# Allegro board SDHCalFEB20180110.brd (continued)
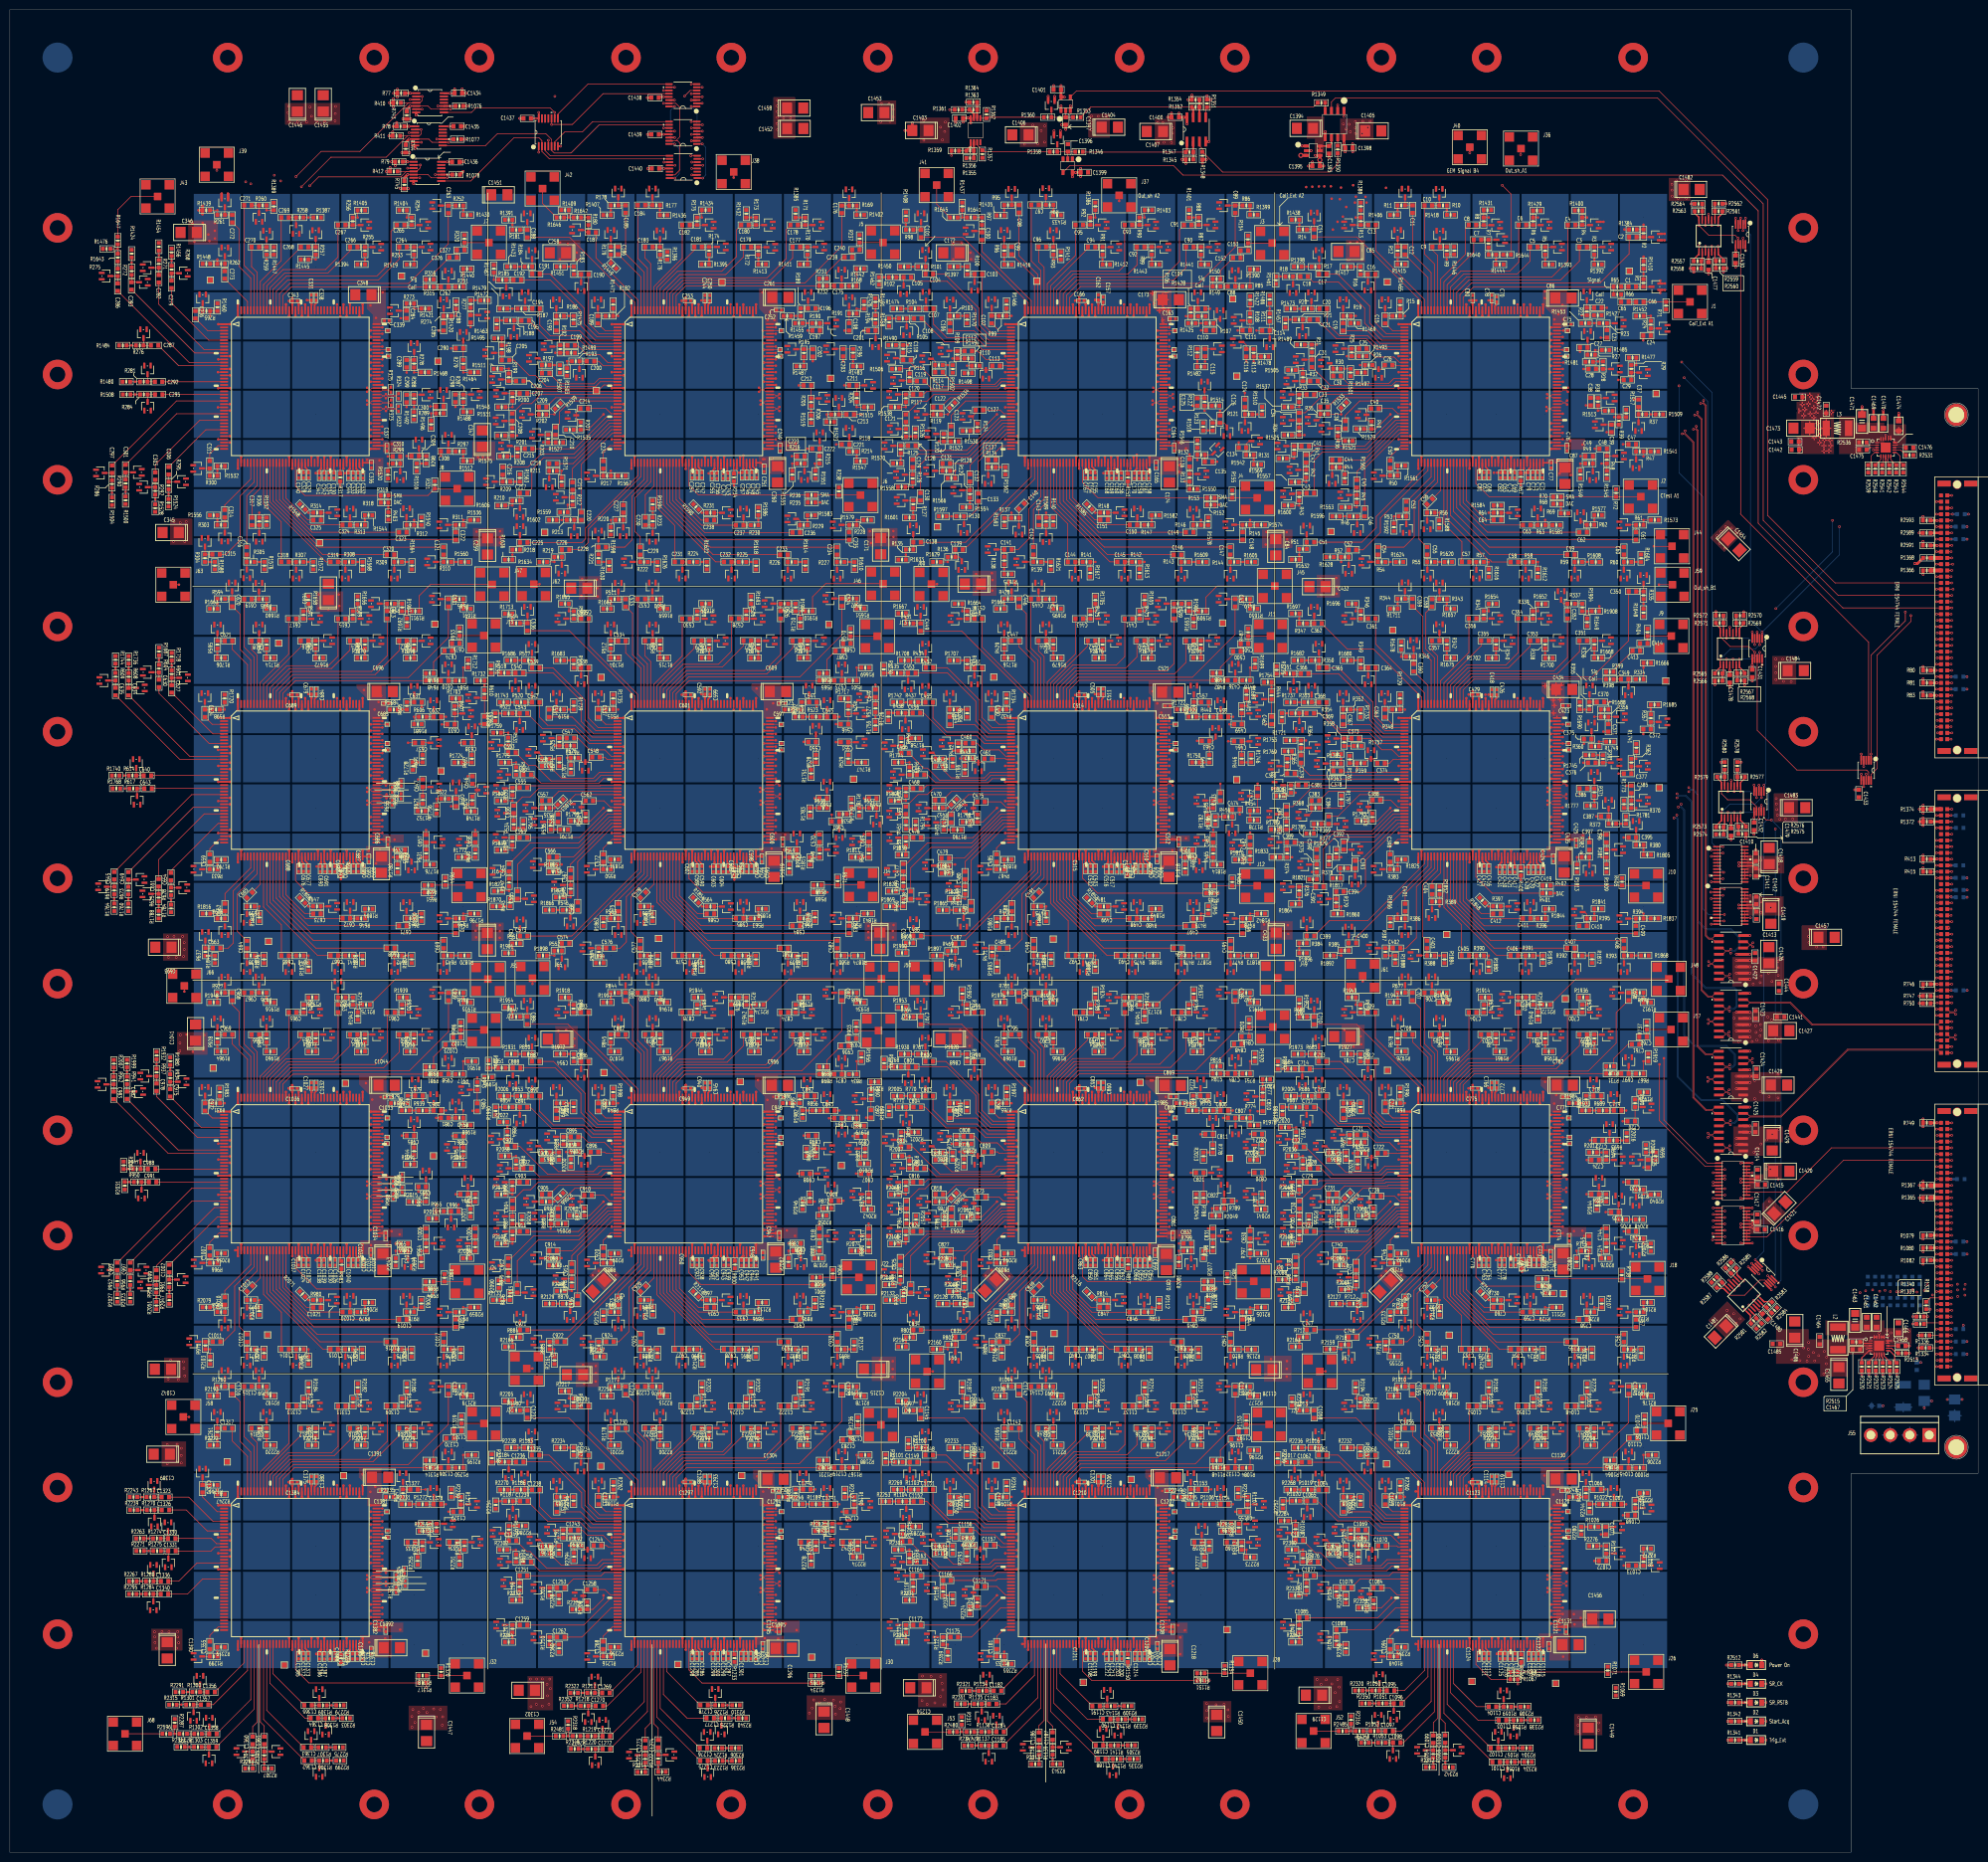
[diagram p0: board, top side]
## Routing (per net, layer and track width the routed paths; a pad name or vN(x,y) marks a point on that pad's centre or on a via; arc(x,y) is an arc through that point) (continued)
  GND1 w0.127: v1(85.79,65.24) v2(85.06,65.24)
  SIG3 w0.127: v2(85.06,65.24) 74.5,65.24 v2(72.2,62.94)
  GND3 w0.127: v2(72.2,62.94) v3(72.2,62.2)
GEM_OUT_P28: length 4
  TOP w0.127: R1277.1 83.88,61.46 v1(82.94,61.46) 82.94,59.96 R2255.2
  GND1 w0.127: v2(82.2,61.46) v1(82.94,61.46)
  GND3 w0.127: v3(82.2,62.2) v2(82.2,61.46)
GEM_OUT_P29: length 3.9
  TOP w0.127: R2251.2 91.46,59.96 v1(91.46,61.46) 92.42,61.46 R1278.1
  GND1 w0.127: v2(92.2,61.46) v1(91.46,61.46)
  GND3 w0.127: v3(92.2,62.2) v2(92.2,61.46)
GEM_OUT_P31: length 30.3
  TOP w0.127: R2267.2 v1(26.75,55.07) R1280.1
  GND1 w0.127: v2(27.48,55.07) v1(26.75,55.07)
  SIG3 w0.127: v2(51.05,62.2) 43.15,62.2 41.43,60.48 32.89,60.48 v2(27.48,55.07)
  GND3 w0.127: v3(52.2,62.2) v2(51.05,62.2)
GEM_OUT_P35: length 17.9
  TOP w0.127: R1284.1 v1(26.72,52.46) 25.76,52.46 R2295.2
  GND1 w0.127: v2(27.46,52.46) v1(26.72,52.46)
  SIG3 w0.127: v2(27.46,52.46) 28.24,51.68 v2(41.68,51.68)
  GND3 w0.127: v3(42.2,52.2) v2(41.68,51.68)
GEM_OUT_P50: length 3.4
  TOP w0.127: R1299.1 42.2,39.78 v1(42.2,40.73) 42.2,41.67 R2319.2
  GND1 w0.127: v2(42.2,41.46) v1(42.2,40.73)
  GND3 w0.127: v3(42.2,42.2) v2(42.2,41.46)
GEM_OUT_P51: length 29.1
  TOP w0.127: R2291.2 35.24,32.55 v1(36.2,32.55) R1300.1
  GND1 w0.127: v1(36.2,32.55) v2(36.93,32.55)
  SIG3 w0.127: v2(51.46,52.2) 51.46,47.08 v2(36.93,32.55)
  GND3 w0.127: v3(52.2,52.2) v2(51.46,52.2)
GEM_OUT_P52: length 24.8
  TOP w0.127: R2315.2 33.92,29.98 v1(34.87,29.98) R1301.1
  GND1 w0.127: v1(34.87,29.98) v2(35.61,29.98)
  SIG3 w0.127: v2(35.61,29.98) 47.09,41.46 v2(52.2,41.46)
  GND3 w0.127: v3(52.2,42.2) v2(52.2,41.46)
GEM_OUT_P53: length 1.5
  TOP w0.127: R1302.1 37.5,24.05 R2595.1
GEM_OUT_P54: length 36.6
  TOP w0.127: R2311.2 35.58,21.37 v1(36.53,21.37) R1303.1
  GND1 w0.127: v1(36.53,21.37) v2(37.26,21.37)
  SIG3 w0.127: v2(62.2,41.46) 57.35,41.46 v2(37.26,21.37)
  GND3 w0.127: v3(62.2,42.2) v2(62.2,41.46)
GEM_OUT_P55: length 46
  TOP w0.127: R1304.1 v1(49.37,17.98) 49.37,17.03 R2283.2
  GND1 w0.127: v1(49.37,17.98) v2(49.37,18.72)
  SIG3 w0.127: v2(49.37,18.72) 49.37,26.38 71.46,48.48 v2(71.46,52.2)
  GND3 w0.127: v3(72.2,52.2) v2(71.46,52.2)
GEM_OUT_P56: length 34.6
  TOP w0.127: R1305.1 v1(51.73,17.98) 51.73,17.03 R2307.2
  GND1 w0.127: v1(51.73,17.98) v2(51.73,18.72)
  SIG3 w0.127: v2(51.73,18.72) 72.2,39.19 v2(72.2,41.46)
  GND3 w0.127: v3(72.2,42.2) v2(72.2,41.46)
GEM_OUT_P57: length 39
  TOP w0.127: R2299.2 66.36,18.61 v1(65.41,18.61) R1306.1
  GND1 w0.127: v1(65.41,18.61) v2(66.14,18.61)
  SIG3 w0.127: v2(92.2,41.46) 84.63,33.9 84.51,33.9 84.24,33.62 84.24,33.5 69.35,18.61 v2(66.14,18.61)
  GND3 w0.127: v3(92.2,42.2) v2(92.2,41.46)
GEM_OUT_P58: length 44.8
  TOP w0.127: R2275.2 66.18,21.3 v1(65.23,21.3) R1307.1
  GND1 w0.127: v1(65.23,21.3) v2(65.96,21.3)
  SIG3 w0.127: v2(65.96,21.3) 91.46,46.8 v2(91.46,52.2)
  GND3 w0.127: v3(92.2,52.2) v2(91.46,52.2)
GEM_OUT_P59: length 23.8
  TOP w0.127: R1308.1 v1(66.67,27.22) 67.63,27.22 R2303.2
  GND1 w0.127: v1(66.67,27.22) v2(67.41,27.22)
  SIG3 w0.127: v2(81.68,41.68) 81.29,41.29 81.29,41.1 v2(67.41,27.22)
  GND3 w0.127: v3(82.2,42.2) v2(81.68,41.68)
GEM_OUT_P60: length 32.1
  TOP w0.127: R2279.2 66.36,29.84 v1(65.41,29.84) R1309.1
  GND1 w0.127: v1(65.41,29.84) v2(66.14,29.84)
  SIG3 w0.127: v2(81.46,52.2) 81.46,45.16 v2(66.14,29.84)
  GND3 w0.127: v3(82.2,52.2) v2(81.46,52.2)
GEM_SIGNAL_A15: length 4.9
  TOP w0.127: v1(193.67,332.2) 192.72,332.2 R1645.2 ; v1(193.67,332.2) 194.64,332.2 R1641.2 ; v1(193.67,332.2) 193.67,333.13 193.68,333.13 R1437.2
  GND1 w0.127: v2(192.94,332.2) v1(193.67,332.2)
  GND3 w0.127: v3(192.2,332.2) v2(192.94,332.2)
GEM_SIGNAL_A23: length 4.9
  TOP w0.127: v1(113.67,332.2) 112.71,332.2 R1646.2 ; v1(113.67,332.2) 114.63,332.2 R1642.2 ; v1(113.67,332.2) 113.67,333.7 R1409.2
  GND1 w0.127: v2(112.94,332.2) v1(113.67,332.2)
  GND3 w0.127: v3(112.2,332.2) v2(112.94,332.2)
GEM_SIGNAL_AF4: length 48
  TOP w0.127: R2485.2 271.76,24.61 v1(272.72,24.61) ; v1(272.72,24.61) R2484.2 ; v1(272.72,24.61) R2316.2
  GND1 w0.127: v2(273.46,24.61) v1(272.72,24.61)
  SIG3 w0.127: v2(301.46,52.2) 301.46,45.94 280.13,24.61 v2(273.46,24.61)
  GND3 w0.127: v3(302.2,52.2) v2(301.46,52.2)
GEM_SIGNAL_AF12: length 45.8
  TOP w0.127: v1(193.55,24.43) 192.58,24.43 R2480.2 ; v1(193.55,24.43) 193.55,25.91 R2317.2 ; v1(193.55,24.43) R2476.2
  GND1 w0.127: v1(193.55,24.43) v2(194.29,24.43)
  SIG3 w0.127: v2(194.29,24.43) 197.37,24.43 221.46,48.52 v2(221.46,52.2)
  GND3 w0.127: v3(222.2,52.2) v2(221.46,52.2)
GEM_SIGNAL_AF20: length 46.3
  TOP w0.127: R2477.2 v1(113.51,23.59) ; v1(113.51,23.59) R2318.2 ; v1(113.51,23.59) 112.55,23.59 R2481.2
  GND1 w0.127: v1(113.51,23.59) v2(114.25,23.59)
  SIG3 w0.127: v2(141.46,52.2) 141.46,48.19 116.86,23.59 v2(114.25,23.59)
  GND3 w0.127: v3(142.2,52.2) v2(141.46,52.2)
GEM_SIGNAL_AF28: length 45.7
  TOP w0.127: v1(33.53,24.05) R2287.2 ; v1(33.53,24.05) R2595.2 ; v1(33.53,24.05) R2596.2
  GND1 w0.127: v2(34.26,24.05) v1(33.53,24.05)
  SIG3 w0.127: v2(61.46,52.2) 61.46,48.84 36.68,24.05 v2(34.26,24.05)
  GND3 w0.127: v3(62.2,52.2) v2(61.46,52.2)
GEM_SIGNAL_B4: length 5
  TOP w0.127: R1444.2 302.2,322.67 v1(302.2,323.67) 302.2,324.63 R1640.2 302.21,324.64 R1644.2
  GND1 w0.127: v2(302.2,322.94) v1(302.2,323.67)
  GND3 w0.127: v3(302.2,322.2) v2(302.2,322.94)
GEM_SIGNAL_D28: length 56.7
  TOP w0.127: v1(21.95,325.81) 21.95,325.81 R1647.2 ; v1(21.95,325.81) 21.92,325.83 R1476.2 ; v1(21.95,325.81) 21.95,324.84 R1643.2
  GND1 w0.127: v1(21.95,325.81) v2(21.95,325.07)
  SIG3 w0.127: v2(21.95,325.07) 21.95,320.29 39.44,302.8 60.86,302.8 v2(61.46,302.2)
  GND3 w0.127: v3(62.2,302.2) v2(61.46,302.2)
GEM_SIGNAL_J2: length 4.9
  TOP w0.127: v1(320.73,252.2) 319.77,252.2 R1904.2 ; v1(320.73,252.2) 321.69,252.2 R1908.2 ; v1(320.73,252.2) 320.73,250.71 R1649.2
  GND1 w0.127: v2(321.46,252.2) v1(320.73,252.2)
  GND3 w0.127: v3(322.2,252.2) v2(321.46,252.2)
GEM_SIGNAL_J10: length 4.9
  TOP w0.127: R1653.2 240.73,250.72 v1(240.73,252.2) ; v1(240.73,252.2) 241.68,252.2 R1909.2 ; v1(240.73,252.2) 239.78,252.2 R1905.2
  GND1 w0.127: v2(241.46,252.2) v1(240.73,252.2)
  GND3 w0.127: v3(242.2,252.2) v2(241.46,252.2)
GEM_SIGNAL_J18: length 4.9
  TOP w0.127: v1(160.73,252.2) 159.77,252.2 R1906.2 ; v1(160.73,252.2) 160.73,250.71 R1710.2 ; v1(160.73,252.2) 161.69,252.2 R1910.2
  GND1 w0.127: v2(161.46,252.2) v1(160.73,252.2)
  GND3 w0.127: v3(162.2,252.2) v2(161.46,252.2)
GEM_SIGNAL_J26: length 4.9
  TOP w0.127: v1(80.73,252.2) 81.68,252.2 R1911.2 ; v1(80.73,252.2) 80.73,250.72 R1692.2 ; v1(80.73,252.2) 79.76,252.2 R1907.2
  GND1 w0.127: v2(81.46,252.2) v1(80.73,252.2)
  GND3 w0.127: v3(82.2,252.2) v2(81.46,252.2)
GEM_SIGNAL_S3: length 4.9
  TOP w0.127: R2168.2 309.79,172.2 v1(310.73,172.2) ; v1(310.73,172.2) 310.73,170.73 R1940.2 ; v1(310.73,172.2) 311.67,172.2 R2172.2
  GND1 w0.127: v2(311.46,172.2) v1(310.73,172.2)
  GND3 w0.127: v3(312.2,172.2) v2(311.46,172.2)
GEM_SIGNAL_S11: length 4.9
  TOP w0.127: R2173.2 231.66,172.2 v1(230.73,172.2) ; R1941.2 230.73,170.69 v1(230.73,172.2) ; R2169.2 229.78,172.2 v1(230.73,172.2)
  GND1 w0.127: v2(231.46,172.2) v1(230.73,172.2)
  GND3 w0.127: v3(232.2,172.2) v2(231.46,172.2)
GEM_SIGNAL_S19: length 4.9
  TOP w0.127: v1(150.73,172.2) 151.68,172.2 R2174.2 ; v1(150.73,172.2) 149.77,172.2 R2170.2 ; v1(150.73,172.2) 150.73,170.71 R1942.2
  GND1 w0.127: v2(151.46,172.2) v1(150.73,172.2)
  GND3 w0.127: v3(152.2,172.2) v2(151.46,172.2)
GEM_SIGNAL_S27: length 4.9
  TOP w0.127: v1(70.73,172.2) 70.73,170.7 R1943.2 ; v1(70.73,172.2) 69.79,172.2 R2171.2 ; v1(70.73,172.2) 71.67,172.2 R2175.2
  GND1 w0.127: v2(71.46,172.2) v1(70.73,172.2)
  GND3 w0.127: v3(72.2,172.2) v2(71.46,172.2)
GEM_TEST_A: length 25.3
  TOP w0.127: R1644.1 305.23,336.98 v4(303.47,338.75) ; v4(296.88,345.34) J40.1
  SIG3 w0.127: v4(296.88,345.34) v4(303.47,338.75)
GEM_TEST_B: length 7.7
  TOP w0.127: J41.1 188.47,334.93 R1645.1
GEM_TEST_C: length 7
  TOP w0.127: J42.1 108.33,335.05 R1646.1
GEM_TEST_D: length 14.7
  TOP w0.127: R1647.1 21.95,333.78 24.64,336.48 J43.1
GEM_TEST_E: length 21.9
  TOP w0.127: v1(334.31,265.38) J44.1 ; R1908.1 v1(323.21,253.19)
  GND1 w0.127: v1(323.21,253.19) v2(323.21,253.92) ; v2(333.58,265.38) v1(334.31,265.38)
  SIG2 w0.127: v2(333.58,265.38) 333.55,265.38 330.23,262.05 330.23,260.93 v2(323.21,253.92)
GEM_TEST_F: length 17.8
  TOP w0.127: J45.1 245.49,257.3 243.21,255.02 R1909.1
GEM_TEST_G: length 18.4
  TOP w0.127: R1910.1 163.22,255.12 165.89,257.79 J46.1
GEM_TEST_H: length 19
  TOP w0.127: J47.1 85.55,257.63 83.21,255.3 R1911.1
GEM_TEST_I: length 26.3
  TOP w0.127: R2172.1 318.47,177.47 J48.1
GEM_TEST_J: length 26.9
  TOP w0.127: J49.1 257.4,177.27 238.28,177.27 R2173.1
GEM_TEST_K: length 26.2
  TOP w0.127: J50.1 158.5,177.5 R2174.1
GEM_TEST_L: length 26.2
  TOP w0.127: R2175.1 78.41,177.42 J51.1
GEM_TEST_M: length 5.1
  TOP w0.127: R2485.1 265.1,24.61 J52.1
GEM_TEST_N: length 5
  TOP w0.127: J53.1 186.11,24.43 R2480.1
GEM_TEST_O: length 5.8
  TOP w0.127: J54.1 105.18,23.6 R2481.1
HOLD: length 49.7
  TOP w0.127: v4(353.94,202.38) U1050.21 ; U1050.21 U1050.20 ; U1050.21 U1050.22 U1050.23 ; J34.A24 v4(394.75,191.65)
  SIG2 w0.127: v4(353.94,202.38) 365.3,191.01 394.12,191.01 v4(394.75,191.65)
HOLD_A: length 377.9
  TOP w0.127: U195.119 154.57,309.87 v1(155.75,309.87) ; v1(235.76,309.87) U130.119 ; v1(75.74,309.87) U260.119 ; U1050.1 v4(348.34,204.33) ; U65.119 v1(313.41,309.87)
  GND1 w0.127: v2(156.49,309.87) v1(155.75,309.87) ; v1(313.41,309.87) v2(314.15,309.87) ; v2(76.48,309.87) v1(75.74,309.87) ; v2(236.5,309.87) v1(235.76,309.87)
  SIG2 w0.127: v2(314.15,309.87) v2(236.5,309.87) v2(156.49,309.87) v2(76.48,309.87)
  SIG3 w0.127: v4(348.34,204.33) 345.62,207.04 345.62,298.4 334.15,309.87 v2(314.15,309.87)
HOLD_B: length 300.8
  TOP w0.127: U1050.2 v4(345.97,203.68) ; v1(155.75,229.86) U455.119 ; v1(313.41,229.86) 313.6,229.86 U325.119 ; v1(235.76,229.86) U390.119 ; v1(75.74,229.86) U520.119
  GND1 w0.127: v2(76.48,229.86) v1(75.74,229.86) ; v2(156.49,229.86) v1(155.75,229.86) ; v1(235.76,229.86) v2(236.5,229.86) ; v2(312.68,229.86) v1(313.41,229.86)
  SIG2 w0.127: v2(76.48,229.86) v2(156.49,229.86) v2(236.5,229.86) v2(312.68,229.86) 323.71,229.86 325.7,227.86 v2(341.63,227.86)
  SIG3 w0.127: v4(345.97,203.68) 344.98,204.67 344.98,224.51 v2(341.63,227.86)
HOLD_C: length 314.4
  TOP w0.127: U650.119 v1(235.76,149.85) ; U585.119 v1(313.41,149.85) ; U780.119 v1(75.74,149.85) ; U1050.3 v4(348.34,203.03) ; U715.119 v1(155.75,149.85)
  GND1 w0.127: v1(235.76,149.85) v2(236.5,149.85) ; v1(75.74,149.85) v2(76.48,149.85) ; v1(313.41,149.85) v2(312.68,149.85) ; v1(155.75,149.85) v2(156.49,149.85)
  SIG1 w0.127: v2(312.68,149.85) 315.05,149.85 318.97,153.77 318.97,173.66 v4(348.34,203.03)
  SIG2 w0.127: v2(76.48,149.85) v2(156.49,149.85) v2(236.5,149.85) v2(312.68,149.85)
HOLD_D: length 393.1
  TOP w0.127: U910.119 v1(235.76,69.84) ; U1050.4 v4(345.97,202.38) ; U1040.119 v1(75.74,69.84) ; U975.119 v1(155.75,69.84) ; U845.119 v1(313.41,69.84)
  GND1 w0.127: v1(75.74,69.84) v2(76.48,69.84) ; v1(235.76,69.84) v2(236.5,69.84) ; v1(313.41,69.84) v2(312.68,69.84) ; v1(155.75,69.84) v2(156.49,69.84)
  SIG2 w0.127: v4(345.97,202.38) 338.48,194.88 338.48,92.74 315.58,69.84 v2(312.68,69.84) v2(236.5,69.84) v2(156.49,69.84) v2(76.48,69.84)
IBI_PA_ASIC_A1: length 1.9
  TOP w0.305: U65.136 302.02,314.21 302.37,314.56 C70.2
IBI_PA_ASIC_A2: length 1.8
  TOP w0.305: C157.2 222.34,314.39 222.01,314.06 U130.136
IBI_PA_ASIC_A3: length 2.1
  TOP w0.305: U195.136 142,314.46 142.33,314.79 C244.2
IBI_PA_ASIC_A4: length 2.2
  TOP w0.305: C331.2 62.28,314.76 61.99,314.46 U260.136
IBI_PA_ASIC_B1: length 2
  TOP w0.305: U325.136 302.02,234.23 302.37,234.58 C418.2
IBI_PA_ASIC_B5: length 2.2
  TOP w0.305: U390.136 222.01,234.28 222.34,234.61 C505.2
IBI_PA_ASIC_B6: length 2.1
  TOP w0.305: C592.2 142.35,234.65 142,234.3 U455.136
IBI_PA_ASIC_B7: length 2.2
  TOP w0.305: C679.2 62.34,234.7 61.99,234.35 U520.136
IBI_PA_ASIC_C1: length 2.2
  TOP w0.305: U585.136 302.02,154.39 302.37,154.75 C766.2
IBI_PA_ASIC_C2: length 2.2
  TOP w0.305: U650.136 222.01,154.39 222.36,154.75 C853.2
IBI_PA_ASIC_C3: length 2.2
  TOP w0.305: U715.136 142,154.34 142.38,154.72 C940.2
IBI_PA_ASIC_C4: length 2.2
  TOP w0.305: U780.136 61.99,154.32 62.31,154.64 C1027.2
IBI_PA_ASIC_D1: length 2.1
  TOP w0.305: C1114.2 302.37,74.71 302.02,74.36 U845.136
IBI_PA_ASIC_D2: length 2.2
  TOP w0.305: U910.136 222.01,74.21 222.36,74.56 C1201.2
IBI_PA_ASIC_D3: length 2.1
  TOP w0.305: C1288.2 142.35,74.58 142,74.23 U975.136
IBI_PA_ASIC_D4: length 2.1
  TOP w0.305: C1375.2 62.34,74.63 61.99,74.28 U1040.136
IREF_DAC_ASIC_A1: length 2.1
  TOP w0.305: R67.1 307.22,280.28 U65.73
IREF_DAC_ASIC_A2: length 2.3
  TOP w0.305: U130.73 227.21,280.26 R151.1
IREF_DAC_ASIC_A3: length 2.1
  TOP w0.305: 147.27,280.31 147.2,280.39 U195.73
IREF_DAC_ASIC_A4: length 2.2
  TOP w0.305: R317.1 67.19,280.14 U260.73
IREF_DAC_ASIC_B1: length 2.3
  TOP w0.305: R400.1 307.22,200.1 U325.73
IREF_DAC_ASIC_B5: length 2.2
  TOP w0.305: R484.1 227.21,200.28 U390.73
IREF_DAC_ASIC_B6: length 2.3
  TOP w0.305: U455.73 147.2,200.26 R567.1
IREF_DAC_ASIC_B7: length 2.2
  TOP w0.305: R650.1 67.32,200.65 67.19,200.78 U520.73
IREF_DAC_ASIC_C1: length 2.2
  TOP w0.305: U585.73 307.22,120.92 307.5,120.64 R733.1
IREF_DAC_ASIC_C2: length 2.2
  TOP w0.305: U650.73 227.21,120.87 227.39,120.69 R817.1
IREF_DAC_ASIC_C3: length 2.2
  TOP w0.305: R900.1 147.42,120.6 147.2,120.82 U715.73
IREF_DAC_ASIC_C4: length 2.3
  TOP w0.305: R983.1 67.19,120.37 U780.73
IREF_DAC_ASIC_D1: length 2.2
  TOP w0.305: R1066.1 307.22,40.28 U845.73
IREF_DAC_ASIC_D2: length 2.2
  TOP w0.305: R1150.1 227.21,40.31 U910.73
IREF_DAC_ASIC_D3: length 2.2
  TOP w0.305: R1233.1 147.2,40.34 U975.73
IREF_DAC_ASIC_D4: length 2.2
  TOP w0.305: R1316.1 67.19,40.29 U1040.73
N271553_ASIC_A1: length 35.7
  TOP w0.127: R66.2 R65.2 297.68,318.13 295.52,315.96 U65.146
N271553_ASIC_A2: length 34.2
  TOP w0.127: R150.2 R149.2 217.75,318.18 215.51,315.94 U130.146
N271553_ASIC_A3: length 34.4
  TOP w0.127: R233.2 R232.2 137.46,318.31 135.5,316.34 U195.146
N271553_ASIC_A4: length 34.4
  TOP w0.127: U260.146 55.49,316.32 57.27,318.11 R315.2 R316.2
N271553_ASIC_B1: length 34.3
  TOP w0.127: U325.146 295.52,236.18 297.7,238.37 R398.2 R399.2
N271553_ASIC_B5: length 34.3
  TOP w0.127: U390.146 215.51,236.26 217.39,238.14 R482.2 R483.2
N271553_ASIC_B6: length 33.9
  TOP w0.127: U455.146 135.5,235.45 138.14,238.09 R565.2 R566.2
N271553_ASIC_B7: length 33.9
  TOP w0.127: U520.146 55.49,235.47 58.11,238.09 R648.2 R649.2
N271553_ASIC_C1: length 34.1
  TOP w0.127: R732.2 R731.2 297.83,158.21 295.52,155.9 U585.146
N271553_ASIC_C2: length 34.4
  TOP w0.127: U650.146 215.51,156.25 217.47,158.21 R815.2 R816.2
N271553_ASIC_C3: length 34.4
  TOP w0.127: U715.146 135.5,156.28 137.33,158.11 R898.2 R899.2
N271553_ASIC_C4: length 34.2
  TOP w0.127: R982.2 R981.2 57.52,158.11 55.49,156.07 U780.146
N271553_ASIC_D1: length 34.2
  TOP w0.127: U845.146 295.52,76.11 297.53,78.12 R1064.2 R1065.2
N271553_ASIC_D2: length 34.1
  TOP w0.127: U910.146 215.51,75.78 217.85,78.12 R1148.2 R1149.2
N271553_ASIC_D3: length 34.2
  TOP w0.127: U975.146 135.5,76.04 137.58,78.12 R1231.2 R1232.2
N271553_ASIC_D4: length 34.1
  TOP w0.127: R1315.2 R1314.2 57.83,78.12 55.49,75.78 U1040.146
N271605_ASIC_A1: length 1.5
  TOP w0.127: R66.1 C65.2
N271605_ASIC_A2: length 5.4
  TOP w0.127: R150.1 246.15,321.4 C152.2
N271605_ASIC_A3: length 6.1
  TOP w0.127: R233.1 166.12,320.96 169.29,324.13 C239.2
N271605_ASIC_A4: length 5.8
  TOP w0.127: R316.1 86.16,320.87 C326.2
N271605_ASIC_B1: length 5.9
  TOP w0.127: C413.2 326.11,240.29 R399.1
N271605_ASIC_B5: length 5.5
  TOP w0.127: R483.1 246.15,240.8 248.77,243.41 C500.2
N271605_ASIC_B6: length 5.3
  TOP w0.127: C587.2 166.17,242.37 R566.1
N271605_ASIC_B7: length 5.5
  TOP w0.127: R649.1 86.16,241.88 88.39,244.11 C674.2
N271605_ASIC_C1: length 6.4
  TOP w0.127: R732.1 326.16,161.29 329.06,164.19 C761.2
N271605_ASIC_C2: length 5.7
  TOP w0.127: C848.2 248.95,164.06 246.15,161.26 R816.1
N271605_ASIC_C3: length 5.4
  TOP w0.127: C936.2 166.17,160.99 R899.1
N271605_ASIC_C4: length 5.5
  TOP w0.127: C1023.2 88.62,164.08 86.16,161.61 R982.1
N271605_ASIC_D1: length 5.9
  TOP w0.127: C1110.2 329.36,84.12 326.16,80.92 R1065.1
N271605_ASIC_D2: length 5.3
  TOP w0.127: C1196.2 248.39,83.91 246.15,81.68 R1149.1
N271605_ASIC_D3: length 6
  TOP w0.127: C1283.2 168.63,83.8 166.17,81.33 R1232.1
N271605_ASIC_D4: length 5.6
  TOP w0.127: R1315.1 86.16,81.47 88.77,84.09 C1370.2
N360973_ASIC_A1: length 1.5
  TOP w0.127: C65.1 329.18,315.04 C66.2
N360973_ASIC_A2: length 1.5
  TOP w0.127: C153.2 C152.1
N360973_ASIC_A3: length 1.5
  TOP w0.127: C240.2 C239.1
N360973_ASIC_A4: length 1.5
  TOP w0.127: C327.2 C326.1
N360973_ASIC_B1: length 1.5
  TOP w0.127: C413.1 331.49,244.16 C414.2
N360973_ASIC_B5: length 1.5
  TOP w0.127: C501.2 C500.1
N360973_ASIC_B6: length 1.5
  TOP w0.127: C588.2 C587.1
N360973_ASIC_B7: length 1.5
  TOP w0.127: C674.1 C675.2
N360973_ASIC_C1: length 1.5
  TOP w0.127: C762.2 C761.1
N360973_ASIC_C2: length 1.5
  TOP w0.127: C849.2 C848.1
N360973_ASIC_C3: length 1.5
  TOP w0.127: C935.2 C936.1
N360973_ASIC_C4: length 1.5
  TOP w0.127: C1022.2 C1023.1
N360973_ASIC_D1: length 1.5
  TOP w0.127: C1109.2 C1110.1
N360973_ASIC_D2: length 1.5
  TOP w0.127: C1197.2 C1196.1
N360973_ASIC_D3: length 1.5
  TOP w0.127: C1284.2 C1283.1
N360973_ASIC_D4: length 1.5
  TOP w0.127: C1371.2 C1370.1
OUT_SH_A1: length 35.2
  TOP w0.127: v4(307.22,344.96) 307.22,346.13 J36.1 ; U65.128 v1(307.22,312.16)
  GND1 w0.127: v1(307.22,312.16) v2(307.22,312.9)
  SIG1 w0.127: v2(307.22,312.9) v4(307.22,344.96)
OUT_SH_A2: length 26.4
  TOP w0.127: U130.128 v1(227.21,312.16) ; v1(225.58,335.56) J37.1
  GND1 w0.127: v1(227.21,312.16) v2(227.21,312.9) ; v1(225.58,335.56) v2(225.58,334.82)
  SIG1 w0.127: v2(227.21,312.9) 227.21,333.19 v2(225.58,334.82)
OUT_SH_A3: length 30.5
  TOP w0.127: J38.1 v1(147.19,340.31) ; U195.128 v1(147.2,312.16)
  GND1 w0.127: v1(147.2,312.16) v2(147.2,312.9) ; v1(147.19,340.31) v2(147.19,339.57)
  SIG1 w0.127: v2(147.19,339.57) 147.2,339.57 v2(147.2,312.9)
OUT_SH_A4: length 42.3
  TOP w0.127: v4(42.09,341.78) J39.1 ; U260.128 v1(67.19,312.16)
  GND1 w0.127: v1(67.19,312.16) v2(67.19,312.9)
  SIG1 w0.127: v4(42.09,341.78) 42.09,338 v2(67.19,312.9)
OUT_SH_B1: length 43
  TOP w0.127: v1(335.33,257.58) J59.1 ; U325.128 v1(307.22,232.15)
  GND1 w0.127: v2(334.59,257.58) v1(335.33,257.58) ; v1(307.22,232.15) v2(307.22,232.89)
  SIG1 w0.127: v2(307.22,232.89) 331.91,257.58 v2(334.59,257.58)
OUT_SH_B2: length 52
  TOP w0.127: v1(188.54,257.71) J60.1 ; U390.128 v1(227.21,232.15)
  GND1 w0.127: v2(189.28,257.71) v1(188.54,257.71) ; v1(227.21,232.15) v2(227.21,232.89)
  SIG1 w0.127: v2(227.21,232.89) 202.39,257.71 v2(189.28,257.71)
OUT_SH_B3: length 52.8
  TOP w0.127: U455.128 v1(147.2,232.15) ; v1(107.7,257.68) J62.1
  GND1 w0.127: v1(147.2,232.15) v2(147.2,232.89) ; v2(108.43,257.68) v1(107.7,257.68)
  SIG1 w0.127: v2(108.43,257.68) 122.4,257.68 v2(147.2,232.89)
OUT_SH_B4: length 46.1
  TOP w0.127: U520.128 v1(67.19,232.15) ; v1(34.39,257.58) J63.1
  GND1 w0.127: v1(67.19,232.15) v2(67.19,232.89) ; v2(35.13,257.58) v1(34.39,257.58)
  SIG1 w0.127: v2(35.13,257.58) 42.5,257.58 v2(67.19,232.89)
OUT_SH_C1: length 45.6
  TOP w0.127: v1(275.11,176.96) J61.1 ; U585.128 v1(307.22,152.14)
  GND1 w0.127: v1(307.22,152.14) v2(307.22,152.88) ; v2(275.11,176.23) v1(275.11,176.96)
  SIG1 w0.127: v2(275.11,176.23) 283.87,176.23 v2(307.22,152.88)
OUT_SH_C2: length 54
  TOP w0.127: U650.128 v1(227.21,152.14) ; v1(186.44,176.43) J64.1
  GND1 w0.127: v2(186.44,175.69) v1(186.44,176.43) ; v1(227.21,152.14) v2(227.21,152.88)
  SIG1 w0.127: v2(186.44,175.69) 209.25,152.88 v2(227.21,152.88)
OUT_SH_C3: length 54.2
  TOP w0.127: v1(106.27,176.45) J65.1 ; U715.128 v1(147.2,152.14)
  GND1 w0.127: v1(106.27,176.45) v2(106.27,175.72) ; v1(147.2,152.14) v2(147.2,152.88)
  SIG1 w0.127: v2(106.27,175.72) 124.36,175.72 v2(147.2,152.88)
OUT_SH_C4: length 44.3
  TOP w0.127: v1(35.48,174.9) J66.1 ; U780.128 v1(67.19,152.14)
  GND1 w0.127: v1(67.19,152.14) v2(67.19,152.88) ; v1(35.48,174.9) v2(35.48,174.17)
  SIG1 w0.127: v2(67.19,152.88) 45.9,174.17 v2(35.48,174.17)
OUT_SH_D1: length 53.1
  TOP w0.127: v1(267.51,97.71) J67.1 ; U845.128 v1(307.22,72.13)
  GND1 w0.127: v1(307.22,72.13) v2(307.22,72.87) ; v1(267.51,97.71) v2(268.25,97.71)
  SIG1 w0.127: v2(268.25,97.71) 282.38,97.71 v2(307.22,72.87)
OUT_SH_D2: length 52.9
  TOP w0.127: v1(187.68,97.69) J56.1 ; U910.128 v1(227.21,72.13)
  GND1 w0.127: v1(227.21,72.13) v2(227.21,72.87) ; v2(188.42,97.69) v1(187.68,97.69)
  SIG1 w0.127: v2(188.42,97.69) 202.39,97.69 v2(227.21,72.87)
OUT_SH_D3: length 54.5
  TOP w0.127: U975.128 v1(147.2,72.13) ; v1(106.25,98.3) J57.1
  GND1 w0.127: v1(147.2,72.13) v2(147.2,72.87) ; v2(106.98,98.3) v1(106.25,98.3)
  SIG1 w0.127: v2(106.98,98.3) 110.85,98.3 136.27,72.87 v2(147.2,72.87)
OUT_SH_D4: length 40.3
  TOP w0.127: U1040.128 v1(67.19,72.13) ; v1(36.42,88.44) J58.1
  GND1 w0.127: v2(37.16,88.44) v1(36.42,88.44) ; v1(67.19,72.13) v2(67.19,72.87)
  SIG1 w0.127: v2(67.19,72.87) 54.16,72.87 38.58,88.44 v2(37.16,88.44)
OUT_T&H: length 43.2
  TOP w0.127: J35.A21 393.97,251.59 v4(394.75,251.59) ; U1073.8 v4(377.47,219.07)
  SIG3 w0.127: v4(377.47,219.07) 377.47,236.88 391.57,250.98 394.14,250.98 v4(394.75,251.59)
OUT_T&H_A: length 115.6
  TOP w0.127: U1073.2 377.97,245.88 351.94,271.91 U1058.8
OUT_T&H_A1: length 46.3
  TOP w0.127: U65.129 v1(306.57,314.53) ; v4(344.78,326.34) U1078.3
  GND1 w0.127: v1(306.57,314.53) v2(306.57,315.26)
  SIG3 w0.127: v4(344.78,326.34) 344.2,326.92 318.23,326.92 v2(306.57,315.26)
OUT_T&H_A2: length 128.3
  TOP w0.127: v4(346.08,326.34) U1078.5 ; U130.129 v1(226.56,314.53)
  GND1 w0.127: v1(226.56,314.53) v2(226.56,315.26)
  SIG3 w0.127: v4(346.08,326.34) 344.76,327.66 314.96,327.66 312.04,324.74 236.03,324.74 v2(226.56,315.26)
OUT_T&H_A3: length 208.9
  TOP w0.127: v4(346.08,330.58) U1078.10 ; U195.129 v1(146.55,314.53)
  GND1 w0.127: v1(146.55,314.53) v2(146.55,315.26)
  SIG3 w0.127: v2(146.55,315.26) 157.7,326.42 311.68,326.42 314.22,328.96 344.46,328.96 v4(346.08,330.58)
OUT_T&H_A4: length 287.6
  TOP w0.127: U260.129 v1(66.54,314.53) ; v4(344.78,330.58) U1078.12
  GND1 w0.127: v1(66.54,314.53) v2(66.54,315.26)
  SIG3 w0.127: v2(66.54,315.26) 81.32,330.05 344.25,330.05 v4(344.78,330.58)
OUT_T&H_B: length 42.4
  TOP w0.127: U1062.8 355.32,227.99 363.4,219.91 377.57,219.91 377.97,219.51 U1073.9
OUT_T&H_B1: length 49.6
  TOP w0.127: v4(349.1,242.44) U1079.3 ; U325.129 v1(306.57,234.52)
  GND1 w0.127: v1(306.57,234.52) v2(306.57,235.25)
  SIG2 w0.127: v4(349.1,242.44) 347.83,243.71 v2(328.24,243.71)
  SIG3 w0.127: v2(306.57,235.25) 315.03,243.71 v2(328.24,243.71)
OUT_T&H_B2: length 131.5
  TOP w0.127: U390.129 v1(226.56,234.52) ; v4(350.4,242.44) U1079.5
  GND1 w0.127: v1(226.56,234.52) v2(226.56,235.25)
  SIG2 w0.127: v4(350.4,242.44) 348.41,244.42 v2(330.43,244.42)
  SIG3 w0.127: v2(330.43,244.42) 235.73,244.42 v2(226.56,235.25)
OUT_T&H_B3: length 211.6
  TOP w0.127: U455.129 v1(146.55,234.52) ; v4(350.4,246.68) U1079.10
  GND1 w0.127: v1(146.55,234.52) v2(146.55,235.25)
  SIG2 w0.127: v4(350.4,246.68) 349.01,245.29 v2(332.28,245.29)
  SIG3 w0.127: v2(332.28,245.29) 156.58,245.29 v2(146.55,235.25)
OUT_T&H_B4: length 290.3
  TOP w0.127: U1079.12 v4(349.1,246.68) ; U520.129 v1(66.54,234.52)
  GND1 w0.127: v1(66.54,234.52) v2(66.54,235.25)
  SIG2 w0.127: v2(330.25,246.02) 348.44,246.02 v4(349.1,246.68)
  SIG3 w0.127: v2(66.54,235.25) 77.31,246.02 v2(330.25,246.02)
OUT_T&H_C: length 29.2
  TOP w0.127: v4(376.97,220.62) U1073.4 ; U1065.8 v4(355.68,210.03)
  SIG2 w0.127: v4(376.97,220.62) 365.46,209.12 356.59,209.12 v4(355.68,210.03)
OUT_T&H_C1: length 76.8
  TOP w0.127: v4(349.38,211.3) 349.38,211.1 349.35,211.07 U1080.3 ; U585.129 v1(306.57,154.51)
  GND1 w0.127: v1(306.57,154.51) v2(306.57,155.24)
  SIG2 w0.127: v4(349.38,211.3) 349.38,211.23 v2(334.54,196.39)
  SIG3 w0.127: v2(306.57,155.24) 306.57,167.62 308.94,169.99 308.94,170.79 v2(334.54,196.39)
OUT_T&H_C2: length 151
  TOP w0.127: v4(350.65,211.3) U1080.5 ; U650.129 v1(226.56,154.51)
  GND1 w0.127: v2(226.56,155.24) v1(226.56,154.51)
  SIG2 w0.127: v2(333.07,197) 348.16,212.09 349.86,212.09 v4(350.65,211.3)
  SIG3 w0.127: v2(226.56,155.24) 248.68,177.37 313.44,177.37 v2(333.07,197)
OUT_T&H_C3: length 232.1
  TOP w0.127: v4(350.65,215.54) U1080.10 ; U715.129 v1(146.55,154.51)
  GND1 w0.127: v1(146.55,154.51) v2(146.55,155.24)
  SIG2 w0.127: v4(350.65,215.54) 350.49,215.54 v2(333.26,198.31)
  SIG3 w0.127: v2(146.55,155.24) 169.84,178.54 313.49,178.54 v2(333.26,198.31)
OUT_T&H_C4: length 310.8
  TOP w0.127: U780.129 v1(66.54,154.51) ; v4(349.35,215.54) 349.35,216.67 U1080.12
  GND1 w0.127: v1(66.54,154.51) v2(66.54,155.24)
  SIG2 w0.127: v4(349.35,215.54) v2(333.72,199.91)
  SIG3 w0.127: v2(333.72,199.91) 314.23,180.42 91.71,180.42 v2(66.54,155.24)
